# KiCad board Neptune.kicad_pcb
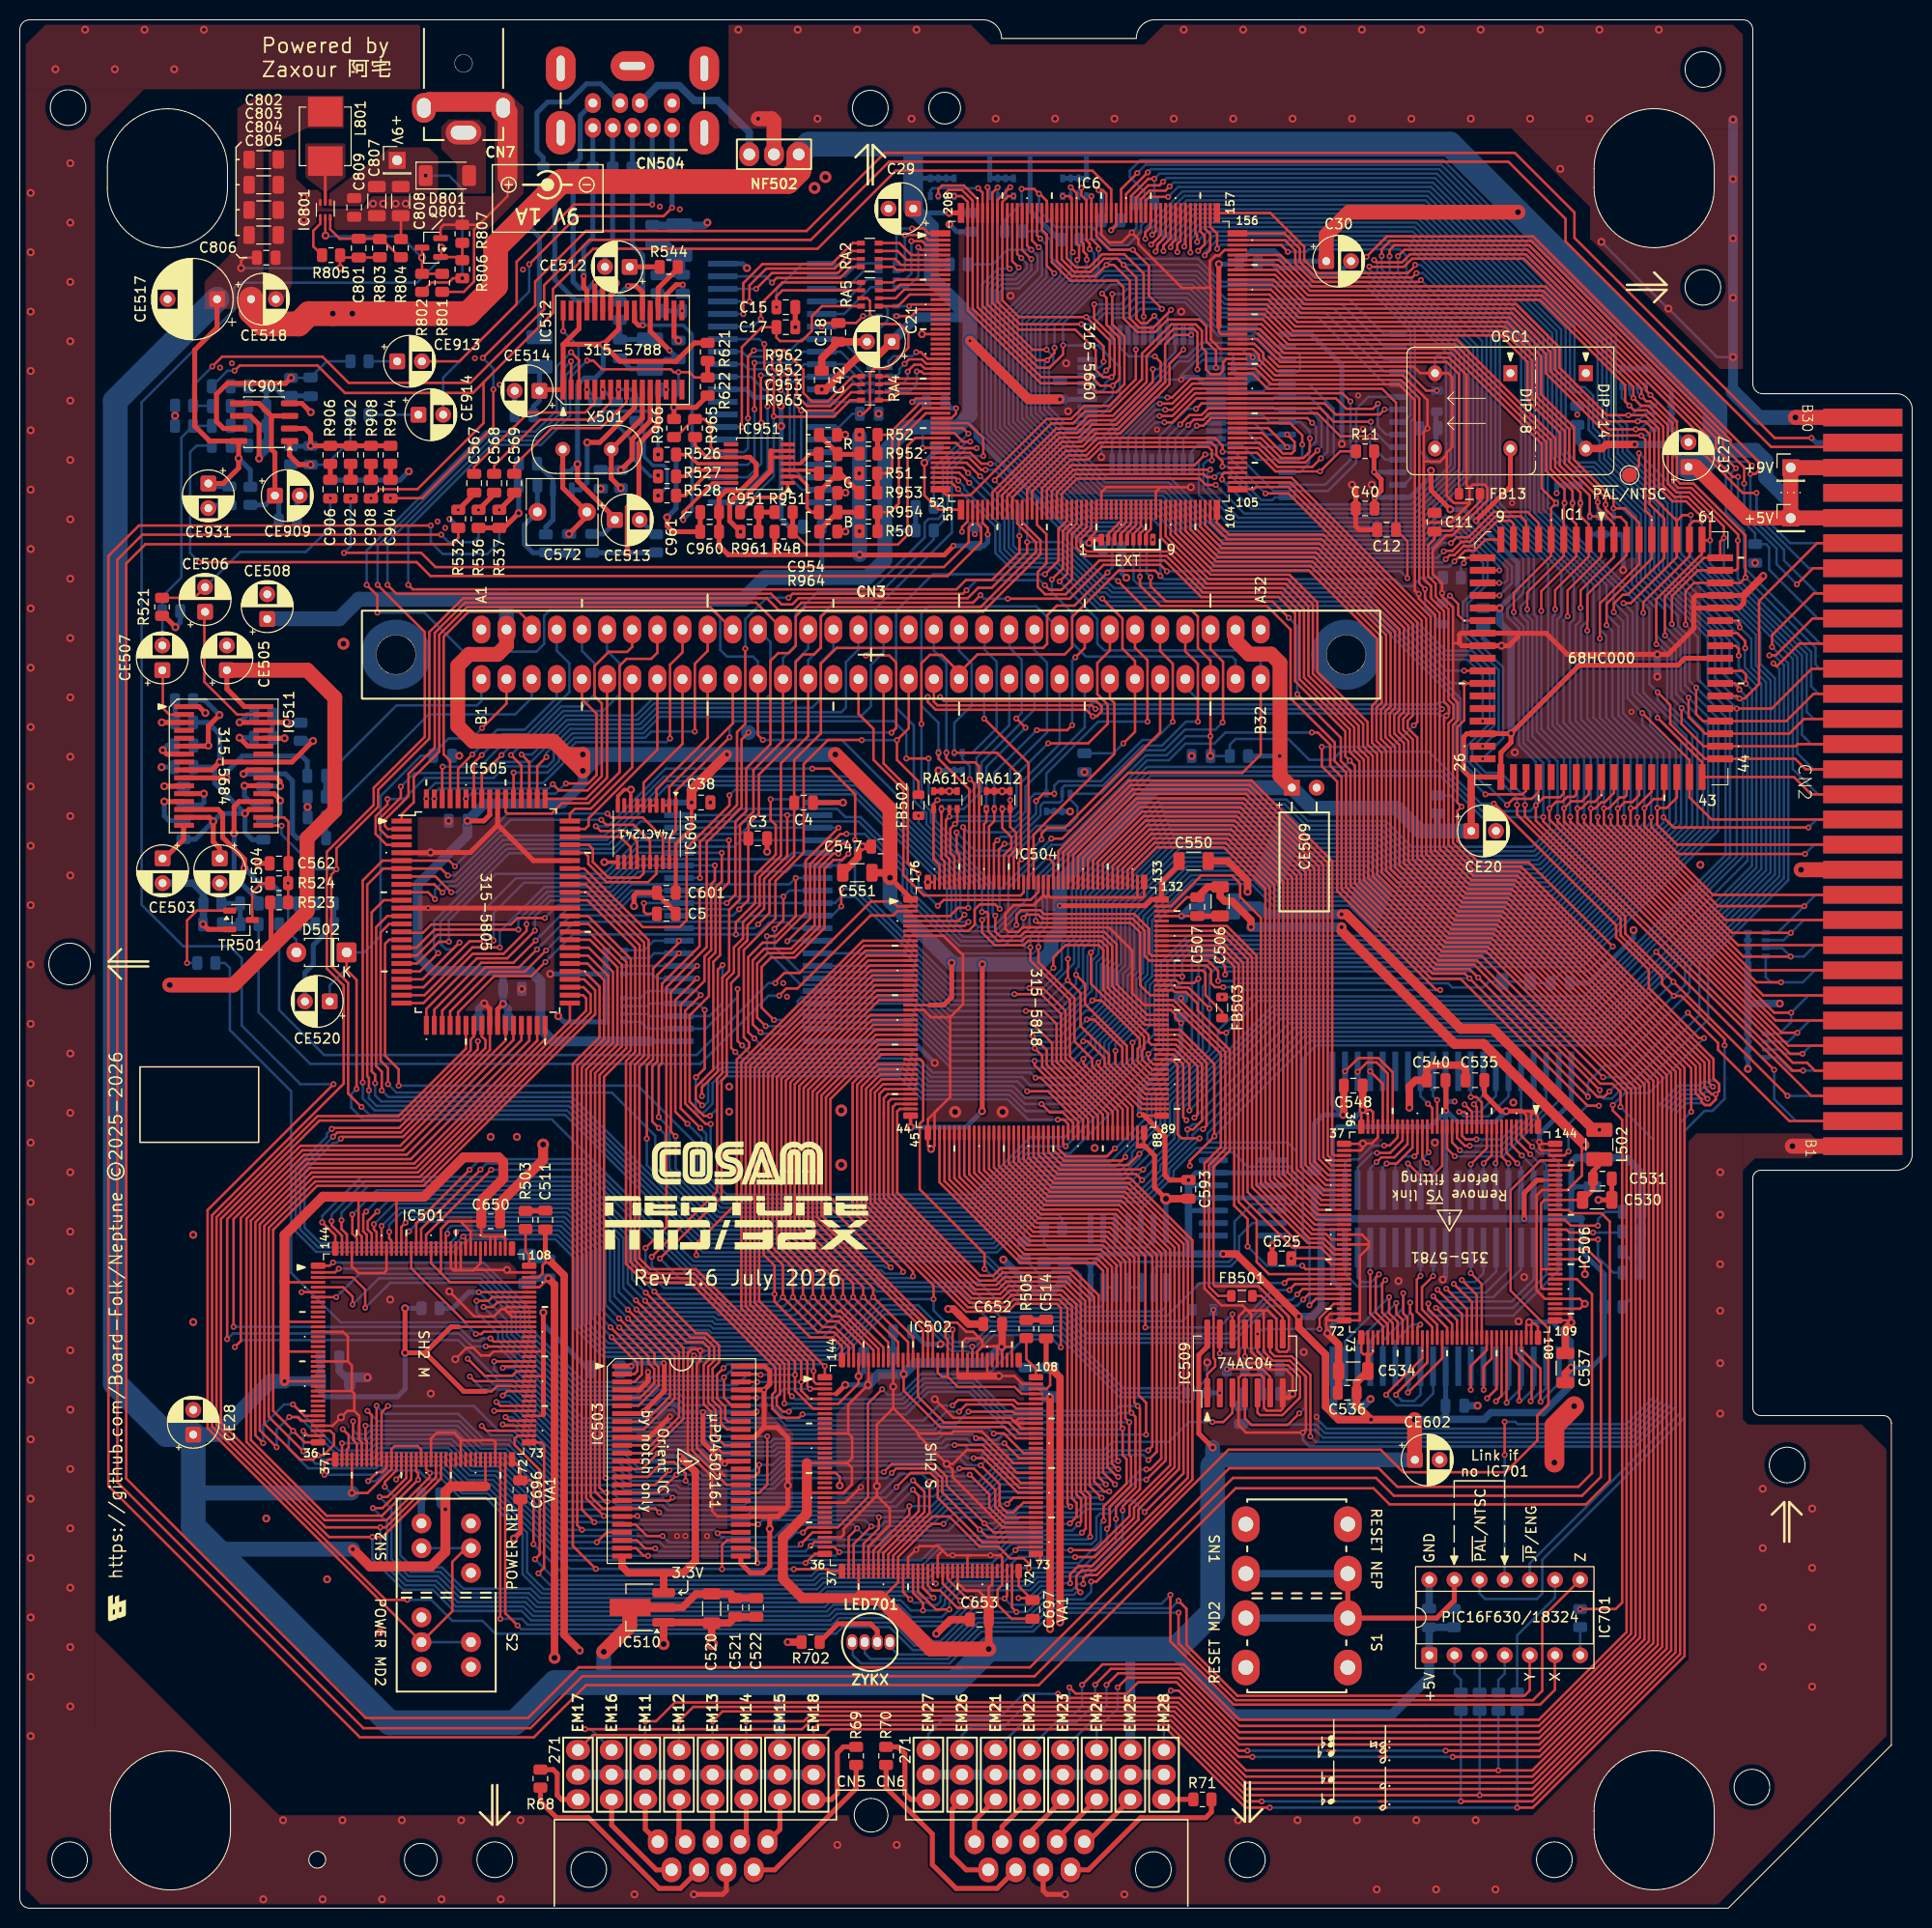
[diagram p0: board, top side]
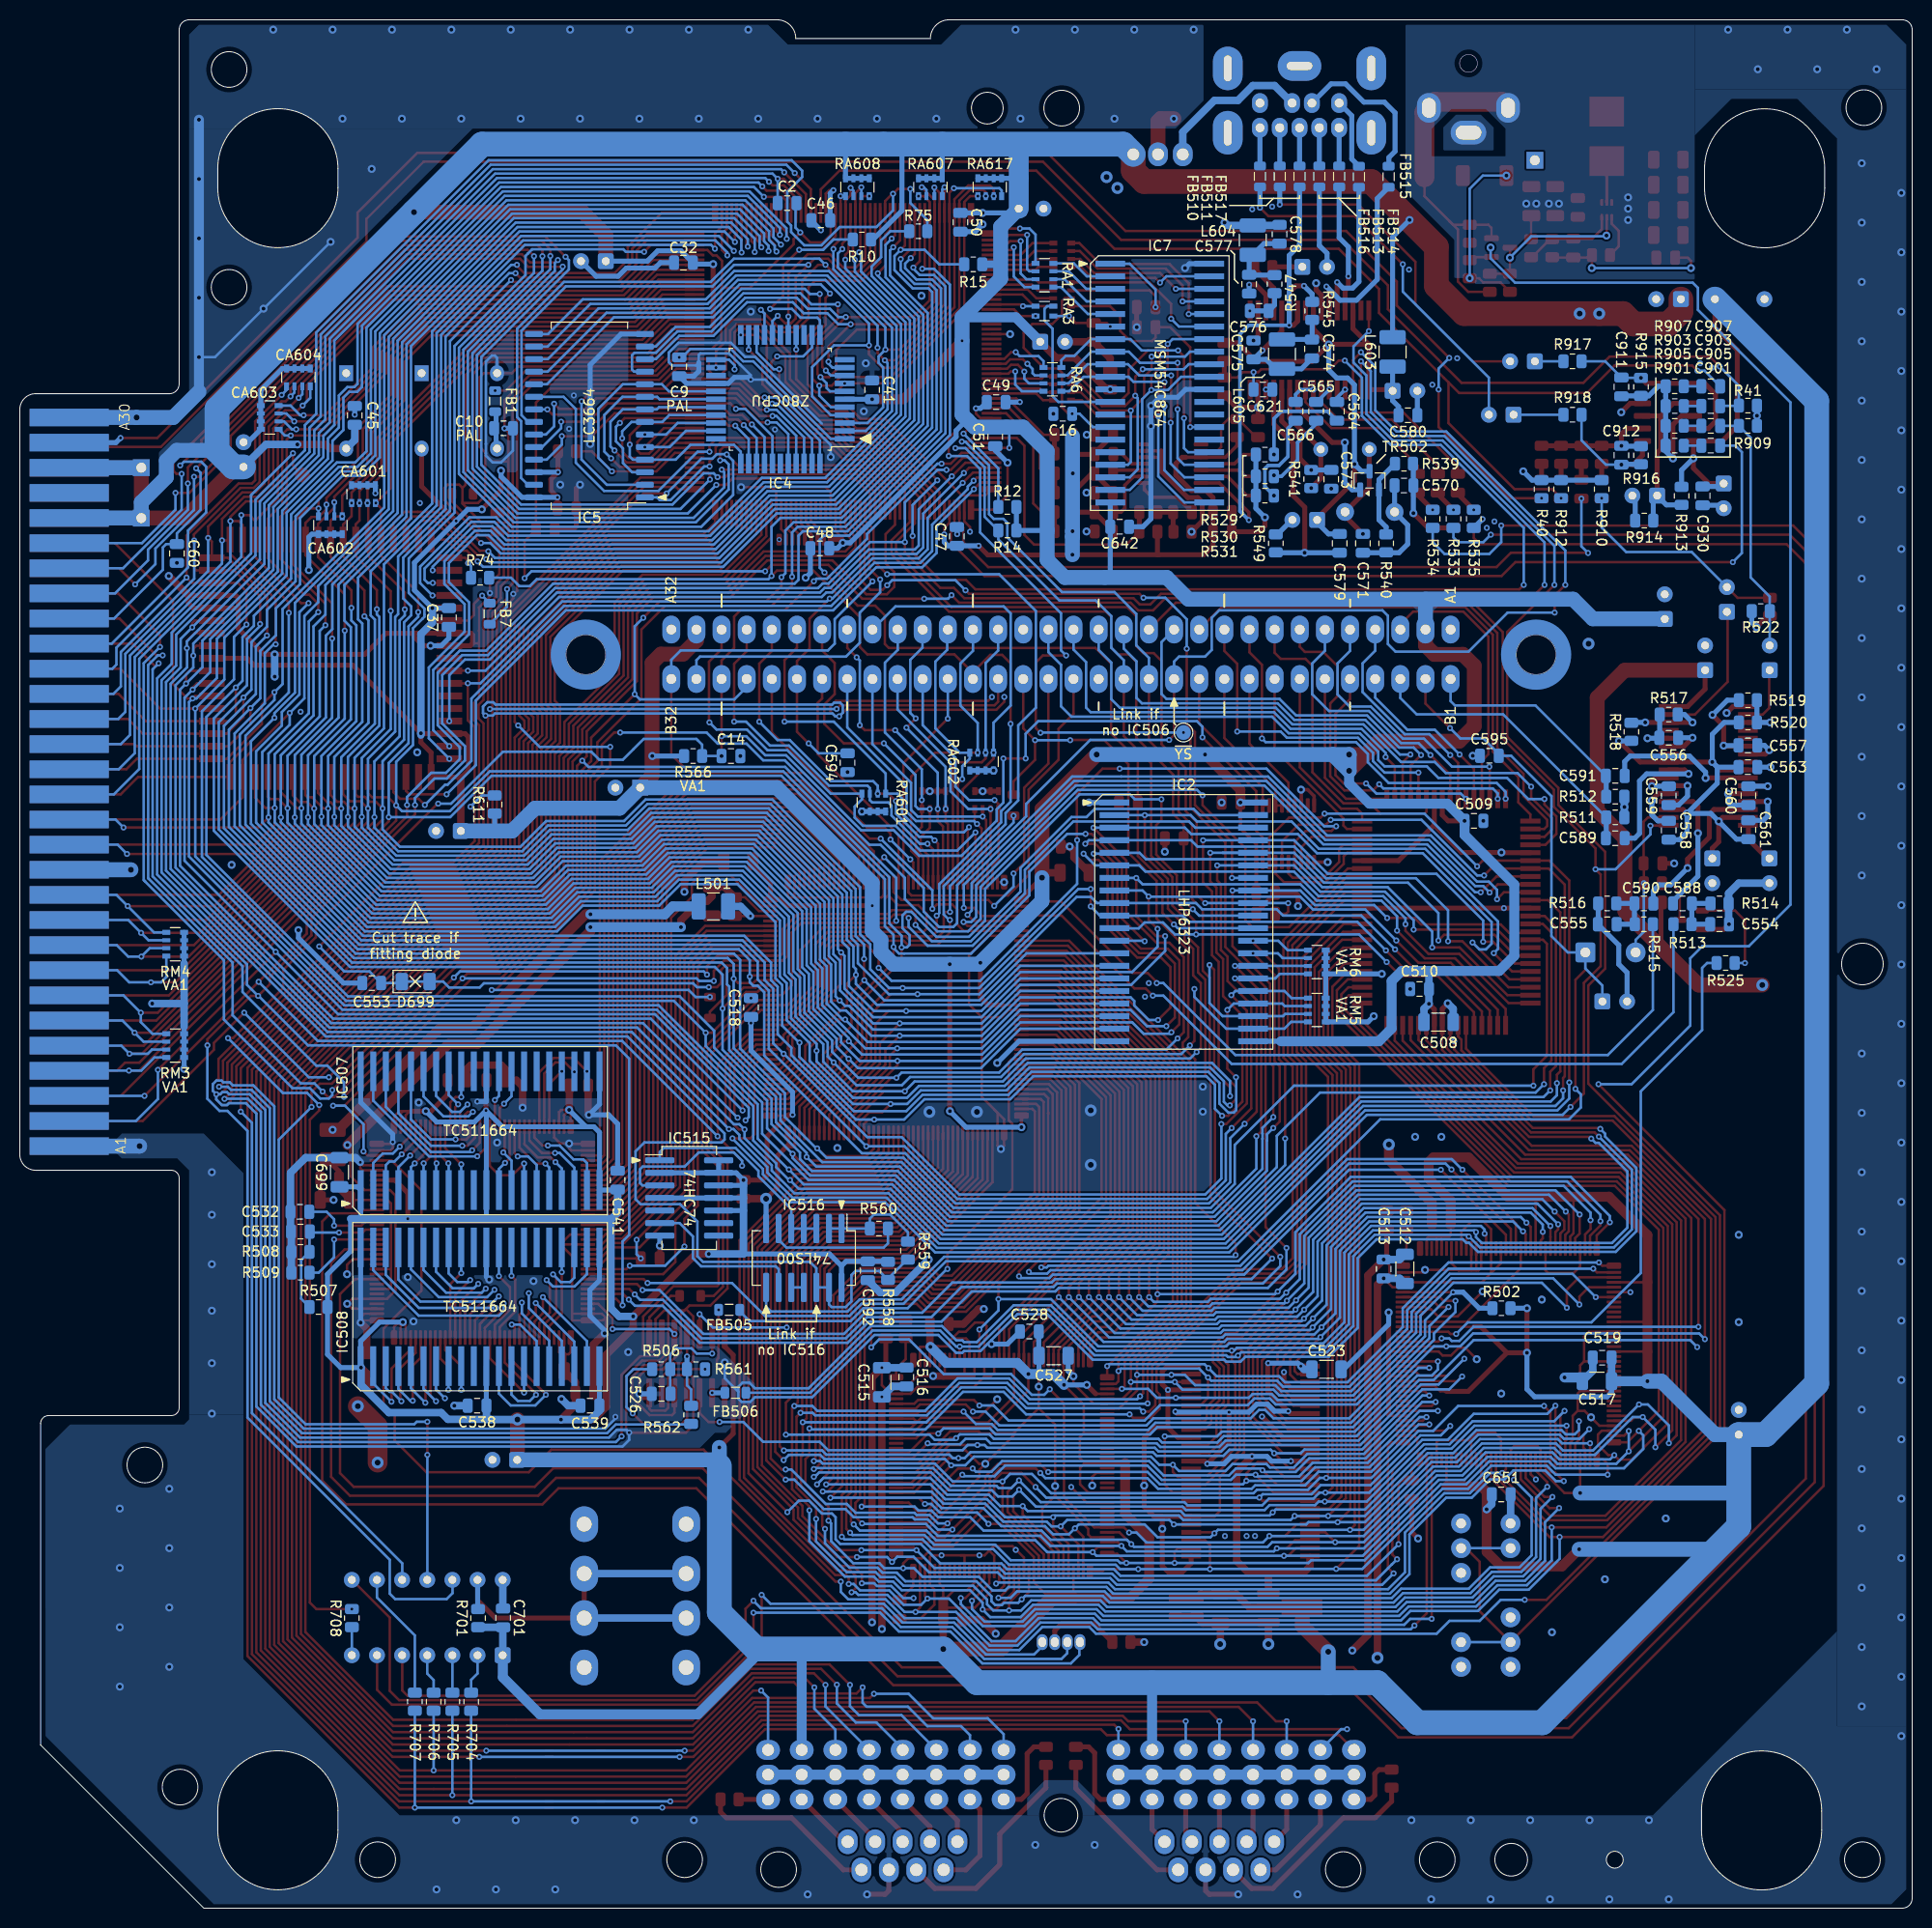
[diagram p1: board, bottom side, seen from below]

Outline 191.2 x 190.9 mm; copper layers: Top, In1.Cu, In2.Cu, Bottom. Coordinates in mm from the lower left corner of the outline.
Outline path: circle c4.88,182.02 r1.8 ; circle c5.03,95.45 r2.1 ; circle c5.03,4.9 r1.8 ; circle c30.05,4.9 r0.85 ; circle c40.52,4.9 r1.65 ; circle c47.99,4.9 r1.8 ; circle c57.48,3.91 r1.8 ; circle c85.93,181.97 r1.8 ; circle c86.01,9.4 r1.7 ; circle c93.45,181.97 r1.6 ; circle c114.54,3.91 r1.8 ; circle c124.03,4.9 r1.8 ; circle c155.05,4.9 r1.8 ; circle c170.06,185.88 r1.8 ; circle c170.06,163.85 r1.8 ; circle c175.01,12.24 r1.8 ; circle c178.57,44.81 r1.8 ; 189.6,153.1 176.1,153.1 arc(175.39,153.39) 175.1,154.1 175.1,189.9 arc(174.81,190.61) 174.1,190.9 114.7,190.9 arc(113.36,190.34) 112.8,189 99.2,189 arc(98.64,190.34) 97.3,190.9 1,190.9 arc(0.29,190.61) 0,189.9 0,1 arc(0.29,0.29) 1,0 172.6,0 189.1,16.5 189.1,49 arc(188.87,49.57) 188.3,49.8 175.9,49.8 arc(175.33,50.03) 175.1,50.6 175.1,73.8 arc(175.33,74.37) 175.9,74.6 189.6,74.6 arc(190.73,75.07) 191.2,76.2 ; 189.6,153.1 arc(190.73,152.63) 191.2,151.5 ; 191.2,151.5 191.2,76.2 ; 8.84,175.83 8.84,173.93 arc(14.91,167.86) 20.98,173.93 20.98,175.83 arc(14.91,181.9) 8.84,175.83 ; 9.15,9.83 9.15,7.92 arc(15.22,1.85) 21.29,7.92 21.29,9.83 arc(15.22,15.9) 9.15,9.83 ; 159.06,175.84 159.06,173.94 arc(165.13,167.87) 171.2,173.94 171.2,175.84 arc(165.13,181.91) 159.06,175.84 ; 159.06,9.84 159.06,7.94 arc(165.13,1.87) 171.2,7.94 171.2,9.84 arc(165.13,15.91) 159.06,9.84
Stack: Top 0.035mm / dielectric 0.1mm FR4 er 4.5 / In1.Cu 0.035mm / dielectric 1.24mm FR4 er 4.5 / In2.Cu 0.035mm / dielectric 0.1mm FR4 er 4.5 / Bottom 0.035mm

## Placement (name value [footprint] x y rotation side)
C2  33pF  [C_0805_2012Metric]  113.68 172.37 180 bottom
C3  100pF  [C_0805_2012Metric]  74.56 108.15 0 top
C4  *  [C_0805_2012Metric]  79.19 111.76 0 top
C5  100pF  [C_0805_2012Metric]  65.32 100.53 0 top
C9  47pF (PAL only)  [C_0805_2012Metric]  124.57 155.82 270 bottom
C10  10pF (PAL only)  [C_0805_2012Metric]  142.33 149.61 180 bottom
C11  33pF*  [C_0805_2012Metric]  142.93 140.12 90 top
C12  1nF  [C_0805_2012Metric]  138.1 139.35 180 top
C14  1nF  [C_0805_2012Metric]  119.35 116.48 180 bottom
C15  *  [C_0805_2012Metric]  77.4 161.85 0 top  (not fitted)
C16  100pF  [C_0805_2012Metric]  85.82 151.07 0 bottom
C17  33pF  [C_0805_2012Metric]  77.4 159.82 0 top
C18  100pF  [C_0805_2012Metric]  82.7 159.3 270 top
C21  10uF 16V  [CP_Radial_D5.0mm_P2.50mm]  88.1 158.35 180 top
C29  10uF 16V  [CP_Radial_D5.0mm_P2.50mm]  90.27 171.81 180 top
C30  10uF 16V  [CP_Radial_D5.0mm_P2.50mm]  132 166.5 0 top
C32  22nF  [C_0805_2012Metric]  124.15 166.35 0 bottom
C37  22nF  [C_0805_2012Metric]  147.85 130.48 90 bottom
C38  22nF  [C_0805_2012Metric]  68.82 111.78 180 top
C40  22nF  [C_0805_2012Metric]  135.92 141.5 0 top
C41  22nF  [C_0805_2012Metric]  105.09 153.49 270 bottom
C42  22nF  [C_0805_2012Metric]  81.03 154.48 270 top
C45  22nF  [C_0805_2012Metric]  157.36 150.91 90 bottom
C46  22nF  [C_0805_2012Metric]  110.28 170.62 180 bottom
C47  22nF  [C_0805_2012Metric]  96.53 138.68 90 bottom
C48  22nF  [C_0805_2012Metric]  110.38 137.48 0 bottom
C49  22nF  [C_0805_2012Metric]  92.55 152.25 180 bottom
C50  22nF  [C_0805_2012Metric]  96.16 170.43 270 bottom
C51  22nF  [C_0805_2012Metric]  92.65 148.75 270 bottom
C60  *  [C_0805_2012Metric]  175.33 136.95 270 bottom  (not fitted)
C506  4.7uF  [C_1206_3216Metric]  121.28 101.78 90 top
C507  100nF  [C_0805_2012Metric]  118.97 101.25 90 top
C508  4.7uF  [C_1206_3216Metric]  47.85 89.58 180 bottom
C509  100nF  [C_0805_2012Metric]  44.28 109.92 180 bottom
C510  100nF  [C_0805_2012Metric]  49.78 92.93 0 bottom
C511  470pF  [C_0805_2012Metric]  53.1 69.58 270 top
C512  4.7uF  [C_1206_3216Metric]  51.26 64.62 90 bottom
C513  100nF  [C_0805_2012Metric]  53.4 64.62 90 bottom
C514  470pF  [C_0805_2012Metric]  103.7 58.55 270 top
C515  4.7uF  [C_1206_3216Metric]  104.1 53.16 90 bottom
C516  100nF  [C_0805_2012Metric]  101.63 53.7 90 bottom
C517  4.7uF  [C_1206_3216Metric]  31.85 53.28 0 bottom
C518  100nF  [C_0805_2012Metric]  117.32 91.05 90 bottom
C519  100nF  [C_0805_2012Metric]  31.32 55.65 0 bottom
C520  4.7uF  [C_1206_3216Metric]  69.9 30.3 270 top
C521  100nF  [C_0805_2012Metric]  72.3 30.4 270 top
C522  100nF  [C_0805_2012Metric]  74.4 30.4 270 top
C523  4.7uF  [C_1206_3216Metric]  59.17 54.47 180 bottom
C525  68pF  [C_0805_2012Metric]  127.51 65.69 180 top
C526  100/120pF (VA1/VA0)  [C_0805_2012Metric]  126.4 52 0 bottom
C527  4.7uF  [C_1206_3216Metric]  86.75 55.85 180 bottom
C528  100nF  [C_0805_2012Metric]  89.2 58.3 0 bottom
C530  4.7uF  [C_1206_3216Metric]  159.37 71.6 0 top
C531  100nF  [C_0805_2012Metric]  159.9 73.75 0 top
C532  100nF  [C_0805_2012Metric]  162.9 70.4 0 bottom
C533  100nF  [C_0805_2012Metric]  162.85 68.4 0 bottom
C534  4.7uF  [C_1206_3216Metric]  134.72 54.3 180 top
C535  100nF  [C_0805_2012Metric]  147.03 83.7 180 top
C536  100nF  [C_0805_2012Metric]  134.12 52.11 180 top
C537  4.7uF  [C_1206_3216Metric]  156.15 54.6 90 top
C538  100nF  [C_0805_2012Metric]  145 50.8 0 bottom
C539  100nF  [C_0805_2012Metric]  133.6 50.8 0 bottom
C540  100nF  [C_0805_2012Metric]  143.1 83.7 180 top
C541  100nF  [C_0805_2012Metric]  130.8 73.6 90 bottom
C547  100nF  [C_0805_2012Metric]  86.97 107.33 180 top
C548  100nF  [C_0805_2012Metric]  134.72 83.15 180 top
C550  4.7uF  [C_1206_3216Metric]  118.6 105.85 0 top
C551  4.7uF  [C_1206_3216Metric]  84.62 104.68 180 top
C553  100pF  [C_0805_2012Metric]  155.65 93.53 0 bottom  (not fitted)
C554  3.3nF  [C_0805_2012Metric]  19.46 99.47 180 bottom
C555  3.3nF  [C_0805_2012Metric]  30.81 99.47 0 bottom
C556  680pF  [C_0805_2012Metric]  24.6 118.32 180 bottom
C557  680pF  [C_0805_2012Metric]  16.6 117.55 180 bottom
C558  1nF  [C_0805_2012Metric]  24.6 108.97 270 bottom
C559  2.2nF  [C_0805_2012Metric]  24.6 112.47 270 bottom
C560  2.2nF  [C_0805_2012Metric]  16.55 112.47 270 bottom
C561  1nF  [C_0805_2012Metric]  16.55 109.02 270 bottom
C562  1nF  [C_0805_2012Metric]  26.19 105.62 0 top
C563  100nF  [C_0805_2012Metric]  16.6 115.35 0 bottom
C564  100nF  [C_0805_2012Metric]  58.12 151.32 90 bottom
C565  100nF  [C_0805_2012Metric]  60.22 151.32 90 bottom
C566  100nF  [C_0805_2012Metric]  62.3 151.32 90 bottom
C567  100nF  [C_0805_2012Metric]  45.91 144.05 90 top
C568  100nF  [C_0805_2012Metric]  47.93 144.05 90 top
C569  100nF  [C_0805_2012Metric]  49.95 144.05 90 top
C570  *8  [C_0805_2012Metric]  51.35 143.82 0 bottom
C571  10pF  [C_0805_2012Metric]  55.5 137.98 90 bottom
C572  10pF  [C_Rect_L7.0mm_W6.5mm_P5.00mm]  57.3 141.15 180 top
C573  82pF  [C_0805_2012Metric]  58.7 144.45 90 bottom
C574  *9  [C_0805_2012Metric]  60.65 157.62 270 bottom
C575  *10  [C_0805_2012Metric]  66.55 157.53 90 bottom
C576  N.F  [C_0805_2012Metric]  65.97 161.48 180 bottom  (not fitted)
C577  47nF  [C_0805_2012Metric]  66.99 164.18 90 bottom
C578  *11  [C_0805_2012Metric]  63.92 169.23 90 bottom
C579  47nF  [C_0805_2012Metric]  57.85 137.98 90 bottom
C580  100nF  [C_0805_2012Metric]  50.95 150.93 0 bottom
C588  100nF  [C_0805_2012Metric]  23.21 101.57 0 bottom
C589  100nF  [C_0805_2012Metric]  30 108.17 180 bottom
C590  100nF  [C_0805_2012Metric]  27.11 101.57 180 bottom
C591  100nF  [C_0805_2012Metric]  30 114.47 180 bottom
C592  100nF  [C_0805_2012Metric]  105.53 64.44 90 bottom
C593  100nF  [C_0805_2012Metric]  118.07 72.68 270 top
C594  100pF  [C_0805_2012Metric]  107.57 115.8 90 bottom
C595  100pF  [C_0805_2012Metric]  42.72 116.5 180 bottom
C601  100nF  [C_0805_2012Metric]  65.32 102.65 180 top
C621  1uF  [C_0805_2012Metric]  65.6 153.53 180 bottom
C642  100nF  [C_0805_2012Metric]  80.07 139.65 0 bottom
C650  100nF  [C_0805_2012Metric]  47.57 69.44 0 top
C651  100nF  [C_0805_2012Metric]  41.53 41.83 180 bottom
C652  100nF  [C_0805_2012Metric]  98.3 59.05 180 top
C653  100nF  [C_0805_2012Metric]  96.95 29.18 180 top
C696  Unused/47/100pF  [C_0805_2012Metric]  50.57 42.3 270 top
C697  Unused/47/100pF  [C_0805_2012Metric]  102.32 30.2 270 top
C699  4.7uF  [C_1206_3216Metric]  158.9 74.4 90 bottom
C701  100nF  [C_0805_2012Metric]  142.37 29.35 90 bottom
C801  10pF C0G/NP0  [C_0805_2012Metric]  34.24 167.82 90 top
C802  10uF 35V X7R  [C_1206_3216Metric]  24.64 176.76 0 top
C803  10uF 35V X7R  [C_1206_3216Metric]  24.64 174.22 0 top
C804  10uF 35V X7R  [C_1206_3216Metric]  24.64 171.68 0 top
C805  10uF 35V X7R  [C_1206_3216Metric]  24.64 169.14 0 top
C806  0.1uF 50V X7R  [C_0805_2012Metric]  24.9 166.85 0 top
C807  10uF 35V X7R  [C_1206_3216Metric]  36.07 172.57 270 top
C808  10uF 35V X7R  [C_1206_3216Metric]  38.48 172.57 270 top
C809  0.1uF 50V X7R  [C_0805_2012Metric]  33.79 171.93 270 top
C901  10uF/10V  [C_0805_2012Metric]  20.36 147.85 0 bottom
C902  10uF/10V  [C_0805_2012Metric]  33.42 143.45 90 top
C903  1uF/16V  [C_0805_2012Metric]  20.36 151.85 0 bottom
C904  1uF/16V  [C_0805_2012Metric]  37.45 143.45 90 top
C905  1uF/16V  [C_0805_2012Metric]  20.36 149.85 0 bottom
C906  1uF/16V  [C_0805_2012Metric]  31.38 143.45 90 top
C907  1uF/16V  [C_0805_2012Metric]  20.36 153.85 0 bottom
C908  1uF/16V  [C_0805_2012Metric]  35.47 143.45 90 top
C911  150pF C0G/NP0  [C_0805_2012Metric]  29.38 153.79 90 bottom
C912  150pF C0G/NP0  [C_0805_2012Metric]  29.38 146.88 270 bottom
C930  100nF  [C_0805_2012Metric]  21.17 142.78 270 bottom
C951  100nF  [C_0805_2012Metric]  73.72 141.12 180 top
C952  100nF  [C_0805_2012Metric]  81.66 147 180 top
C953  100nF  [C_0805_2012Metric]  81.69 145.03 180 top
C954  100nF  [C_0805_2012Metric]  81.67 141.12 180 top
C960  100nF  [C_0805_2012Metric]  69.7 139.15 180 top
C961  10uF  [C_0805_2012Metric]  69.7 141.12 0 top
CA601  4x33pF  [R_Array_Convex_4x0603]  156.47 142.95 270 bottom
CA602  4x33pF  [R_Array_Convex_4x0603]  159.83 139.8 90 bottom
CA603  4x33pF  [R_Array_Convex_4x0603]  165.95 150.7 180 bottom
CA604  4x33pF  [R_Array_Convex_4x0603]  163.06 154.75 270 bottom
CE20  10uF 16V  [CP_Radial_D5.0mm_P2.50mm]  146.64 108.9 0 top
CE27  47uF 10V  [CP_Radial_D5.0mm_P2.50mm]  168.6 145.7 90 top
CE28  47uF 10V  [CP_Radial_D5.0mm_P2.50mm]  17.53 47.88 90 top
CE503  10uF 16V  [CP_Radial_D5.0mm_P2.50mm]  14.42 106.12 270 top
CE504  10uF 16V  [CP_Radial_D5.0mm_P2.50mm]  20.2 106.12 270 top
CE505  10uF 16V  [CP_Radial_D5.0mm_P2.50mm]  20.92 125.15 90 top
CE506  47uF 10V  [CP_Radial_D5.0mm_P2.50mm]  18.72 131.05 90 top
CE507  47uF 10V  [CP_Radial_D5.0mm_P2.50mm]  14.4 125.15 90 top
CE508  47uF 10V  [CP_Radial_D5.0mm_P2.50mm]  25 130.32 90 top
CE509  47uF 10V  [CP_Radial_D5.0mm_P2.50mm_Horizontal]  131.03 113.28 180 top
CE512  220uF 16V  [CP_Radial_D5.0mm_P2.50mm]  61.62 165.93 180 top
CE513  1uF 50V  [CP_Radial_D5.0mm_P2.50mm]  60.12 140.34 0 top
CE514  100uF 10V  [CP_Radial_D5.0mm_P2.50mm]  52.5 153.39 180 top
CE517  470uF 10V  [CP_Radial_D8.0mm_P5.00mm]  19.93 162.66 180 top
CE518  100uF 10V  [CP_Radial_D5.0mm_P2.50mm]  23.37 162.66 0 top
CE520  100uF 10V  [CP_Radial_D5.0mm_P2.50mm]  31.31 91.67 180 top
CE602  47uF 10V  [CP_Radial_D5.0mm_P2.50mm]  140.95 45.33 0 top
CE909  10uF 10V  [CP_Radial_D5.0mm_P2.50mm]  25.78 142.8 0 top
CE913  47uF 10V  [CP_Radial_D5.0mm_P2.50mm]  38.12 156.38 0 top
CE914  47uF 10V  [CP_Radial_D5.0mm_P2.50mm]  40.28 150.98 0 top
CE931  10uF 16V  [CP_Radial_D5.0mm_P2.50mm]  19.05 144.03 270 top
CN2  Expansion  [Edge-60P]  186.21 113.87 270 top
CN3  Cartridge  [Cartidge_Slot]  46.64 129.26 0 top
CN5  1P  [DSUB-9]  70.01 6.72 0 top
CN6  2P  [DSUB-9]  102.01 6.72 0 top
CN7  Barrel_Jack  [Power_Jack]  44.84 180.75 0 top
CN504  AV Out  [AV_Connector]  61.9 179.98 0 top
D502  D  [D_T-1_P5.08mm_Horizontal]  33.02 96.62 180 top
D699  ~  [D_1206_3216Metric]  151.2 93.68 180 bottom  (not fitted)
D801  2A RECT  [D_SOD-128]  43.2 175.15 0 top
EM11  222  [EMI_3P]  63.2 13.5 0 top
EM12  222  [EMI_3P]  66.6 13.5 0 top
EM13  222  [EMI_3P]  70 13.5 0 top
EM14  222  [EMI_3P]  73.4 13.5 0 top
EM15  222  [EMI_3P]  76.8 13.5 0 top
EM16  222  [EMI_3P]  59.8 13.5 0 top
EM17  271  [EMI_3P]  56.4 13.5 0 top
EM18  222  [EMI_3P]  80.2 13.5 0 top
EM21  222  [EMI_3P]  98.6 13.5 0 top
EM22  222  [EMI_3P]  102 13.5 0 top
EM23  222  [EMI_3P]  105.4 13.5 0 top
EM24  222  [EMI_3P]  108.8 13.5 0 top
EM25  222  [EMI_3P]  112.2 13.5 0 top
EM26  222  [EMI_3P]  95.2 13.5 0 top
EM27  271  [EMI_3P]  91.8 13.5 0 top
EM28  222  [EMI_3P]  115.6 13.5 0 top
FB1  0  [L_0805_2012Metric]  143.17 152.35 90 bottom
FB7  0  [L_0805_2012Metric]  143.72 130.86 90 bottom
FB13  0  [L_0805_2012Metric]  146.47 142.98 0 top
FB501  120 Ohm  [L_0805_2012Metric]  123.47 61.9 180 top
FB502  0  [L_0805_2012Metric]  90.8 111.5 270 top
FB503  240 Ohm  [L_0805_2012Metric]  121.47 91.05 270 top
FB505  0  [L_0805_2012Metric]  119.53 60.49 0 bottom
FB506  120 Ohm  [L_0805_2012Metric]  118.9 52.11 180 bottom
FB510  0  [L_0805_2012Metric]  65.9 175.06 90 bottom
FB511  0  [L_0805_2012Metric]  63.9 175.06 90 bottom
FB513  0  [L_0805_2012Metric]  57.9 175.06 90 bottom
FB514  0  [L_0805_2012Metric]  55.9 175.04 90 bottom
FB515  0  [L_0805_2012Metric]  52.9 175.04 90 bottom
FB516  0  [L_0805_2012Metric]  59.9 175.06 90 bottom
FB517  0  [L_0805_2012Metric]  61.9 175.06 90 bottom
IC1  68HC000  [PLCC-68]  159.8 126.36 0 top
IC2  LHP6323  [SOIC-40]  73.6 99.71 270 bottom
IC4  Z80CPU  [QFP-44_10x10_Pitch0.8mm]  114.36 152.54 0 bottom
IC5  LC3664  [SOIC-28W_7.5x18.7mm_P1.27mm]  133.65 150.88 0 bottom
IC6  315-5660  [QFP-208_28x28_Pitch0.5mm]  108.03 156.38 0 top
IC7  MSM54C864  [SOJ-40]  76.03 154.18 270 bottom
IC501  SH2 M  [LQFP-144_20x20mm_P0.5mm]  40.8 56.03 0 top
IC502  SH2 S  [LQFP-144_20x20mm_P0.5mm]  92 44.75 0 top
IC503  µPD4502161  [SSOP-50]  66.85 45.2 270 top
IC504  315-5818  [LQFP-176_24x24mm_P0.5mm]  102.67 91.05 0 top
IC505  315-5805  [PQFP-80_14x20mm_P0.8mm]  47.08 100.7 0 top
IC506  315-5781  [LQFP-144_20x20mm_P0.5mm]  144.46 68.35 270 top
IC507  TC511664  [SO-Mix-40]  144.7 78.6 180 bottom
IC508  TC511664  [SO-Mix-40]  144.7 60.8 180 bottom
IC509  74AC04  [SO-14_Dual_Purpose_P1.27mm]  123.79 55.08 90 top
IC510  RHSRL33A  [SOT-89-3_Handsoldering]  62.6 30.4 180 top
IC511  315-5684  [SO-32-0.8mm]  20.6 115.47 270 top
IC512  315-5788  [SO-32-0.8mm]  60.9 157.52 0 top
IC515  74HC74  [SO-14_Dual_Purpose_P1.27mm]  123.57 71.8 180 bottom
IC516  74LS00  [SO-14_Dual_Purpose_P1.27mm]  111.99 65.73 270 bottom
IC601  74ACT241  [TSSOP-20_4.4x6.5mm_P0.65mm]  63.35 108.61 270 top
IC701  PIC16F630/18324  [DIP-14_W7.62mm_Socket]  142.41 25.58 90 top
IC801  TPS564257DRLR  [SOT-563]  30.86 171.68 270 top
IC901  TL972  [SO-8_3.9x4.9mm_P1.27mm]  24.68 150.22 180 top
IC951  THS7374  [TSSOP-14_4.4x5mm_P0.65mm]  74.72 146.03 180 top
J2  EXT  [EXT_Breakout]  111.88 138.35 0 top
L501  100u  [L_1210_3225Metric_Pad1.42x2.65mm_HandSolder]  121.12 101.28 180 bottom
L502  100u  [L_1210_3225Metric_Pad1.42x2.65mm_HandSolder]  159.6 77.2 270 top
L603  12uH 10%  [L_1210_3225Metric_Pad1.42x2.65mm_HandSolder]  52.5 157.32 90 bottom
L604  *1 10%  [L_1210_3225Metric_Pad1.42x2.65mm_HandSolder]  66.62 168.62 90 bottom
L605  *2 10%  [L_1210_3225Metric_Pad1.42x2.65mm_HandSolder]  63.67 157.1 270 bottom
L801  4.7u  [L_Murata_LQH55DN_5.7x5.0mm]  30.86 179.11 90 top
LED701  BGKR  [RGB_LED]  86 26.9 0 top
NF502  2200pF  [EMI_3P]  76.2 177.3 270 top
OSC1  CXO_DIP14  [Oscillator_DIP-8-14]  158.22 155.18 180 top
Q801  MMBT3904  [SOT-23]  41.57 167.87 180 top
R10  2.2K  [R_0805_2012Metric]  106.12 168.69 180 bottom
R11  4.7K  [R_0805_2012Metric]  135.92 147.28 0 top
R12  2.2K  [R_0805_2012Metric]  91.42 141.65 0 bottom
R14  1.2K  [R_0805_2012Metric]  91.42 139.28 180 bottom
R15  2.2K  [R_0805_2012Metric]  94.87 166.18 180 bottom
R40  75  [R_0805_2012Metric]  37.45 143.45 90 bottom
R41  75  [R_0805_2012Metric]  16.6 151.9 180 bottom
R48  2.2K  [R_0805_2012Metric]  77.17 139.15 0 top
R50  5.6K  [R_0805_2012Metric]  85.75 139.2 0 top
R51  5.6K  [R_0805_2012Metric]  85.72 145.05 0 top
R52  5.6K  [R_0805_2012Metric]  85.75 148.95 0 top
R68  330  [R_0805_2012Metric]  52.6 13.1 270 top
R69  330  [R_0805_2012Metric]  84.5 15.4 270 top
R70  330  [R_0805_2012Metric]  87.53 15.4 270 top
R71  330  [R_0805_2012Metric]  119.49 11 0 top
R74  150  [R_0805_2012Metric]  144.7 134.5 0 bottom
R75  220  [R_0805_2012Metric]  100.42 169.53 180 bottom
R502  10K  [R_0805_2012Metric]  41.5 60.65 180 bottom
R503  3K  [R_0805_2012Metric]  51.1 69.58 90 top
R505  3K  [R_0805_2012Metric]  101.7 58.55 90 top
R506  180  [R_0805_2012Metric]  126.4 54.49 180 bottom
R507  13K 2%  [R_0805_2012Metric]  161.03 60.78 180 bottom
R508  2.7K 2%  [R_0805_2012Metric]  162.85 66.35 180 bottom
R509  1.6K 2%  [R_0805_2012Metric]  162.85 64.25 180 bottom
R511  75  [R_0805_2012Metric]  30 110.27 0 bottom
R512  75  [R_0805_2012Metric]  30 112.37 0 bottom
R513  8.2K  [R_0805_2012Metric]  23.21 99.47 180 bottom
R514  3K  [R_0805_2012Metric]  19.46 101.57 0 bottom
R515  8.2K  [R_0805_2012Metric]  27.11 99.47 0 bottom
R516  3K  [R_0805_2012Metric]  30.81 101.57 180 bottom
R517  8.2K  [R_0805_2012Metric]  24.6 120.67 0 bottom
R518  10K  [R_0805_2012Metric]  28.38 118.93 90 bottom
R519  8.2K  [R_0805_2012Metric]  16.6 122.12 0 bottom
R520  10K  [R_0805_2012Metric]  16.6 119.87 180 bottom
R521  330  [R_0805_2012Metric]  14.38 131.55 270 top
R522  330  [R_0805_2012Metric]  15.3 131.12 0 bottom
R523  4.7K  [R_0805_2012Metric]  26.2 101.67 180 top
R524  10  [R_0805_2012Metric]  26.2 103.62 0 top
R525  2.2K  [R_0805_2012Metric]  18.85 95.55 0 bottom
R526  75  [R_0805_2012Metric]  65.4 146.95 180 top
R527  75  [R_0805_2012Metric]  65.4 144.75 180 top
R528  75  [R_0805_2012Metric]  65.4 142.8 180 top
R529  75  [R_0805_2012Metric]  65.4 146.95 0 bottom
R530  75  [R_0805_2012Metric]  65.4 144.75 0 bottom
R531  75  [R_0805_2012Metric]  65.4 142.8 0 bottom
R532  33  [R_0805_2012Metric]  44.3 140.45 90 top
R533  33  [R_0805_2012Metric]  46.35 140.45 90 bottom
R534  33  [R_0805_2012Metric]  48.45 140.45 90 bottom
R535  160  [R_0805_2012Metric]  44.3 140.45 270 bottom
R536  160  [R_0805_2012Metric]  46.35 140.45 270 top
R537  160  [R_0805_2012Metric]  48.45 140.45 270 top